# Allegro board 1140022-KU060_PCIE_FIBER_BOARD_V001_pcb166_20240120_1835_pcb.brd (continued)
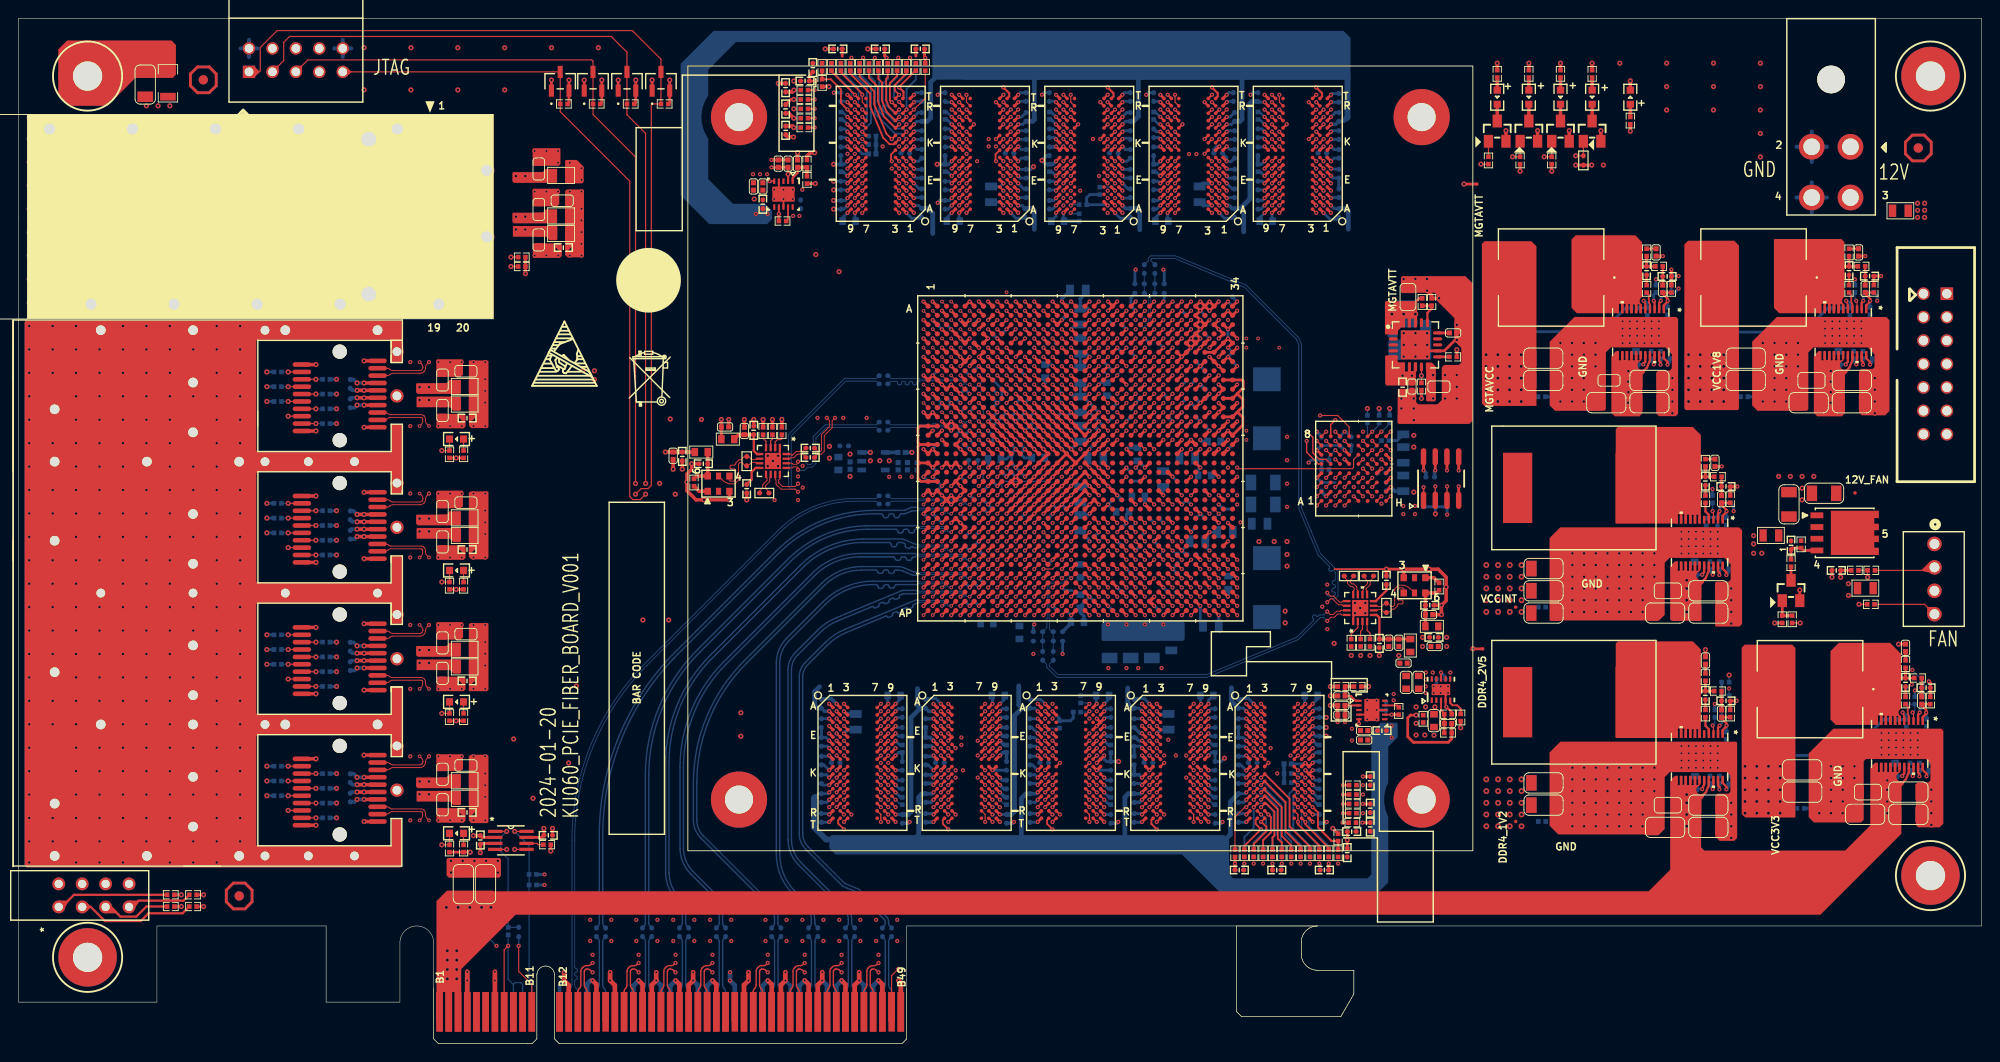
[diagram p0: board, top side]
## Routing (per net, layer and track width the routed paths; a pad name or vN(x,y) marks a point on that pad's centre or on a via; arc(x,y) is an arc through that point) (continued)
CHA_FPGA_DDR4_C1_D18: length 38.4
  TOP w0.201: U4.H3 v1(100.79,31.23) ; U1.AM20 v1(118.11,48.45)
  ART10 w0.137: v1(100.79,31.23) 101.11,31.55 102.06,31.55 102.69,32.18 102.85,32.18 103.01,32.34 103.01,32.86 103.17,33.02 103.4,33.02 103.56,32.86 103.56,32.34 103.72,32.18 104.22,32.18 104.47,32.43 104.97,32.43 105.19,32.65 105.19,33.03 105.39,33.23 105.8,33.23 105.99,33.42 105.99,41.42 106.27,41.71 106.93,41.71 107.31,42.09 107.31,42.82 107.42,42.93 107.67,42.93 107.83,42.77 107.83,42.3 107.97,42.16 108.25,42.16 108.38,42.3 108.38,42.77 108.54,42.93 108.77,42.93 108.93,42.77 108.93,42.3 109.07,42.16 109.34,42.16 109.48,42.3 109.48,42.77 109.64,42.93 110.42,42.93 110.58,42.77 110.58,42.27 110.74,42.11 110.96,42.11 111.12,42.27 111.12,42.77 111.29,42.93 111.51,42.93 111.67,42.77 111.67,42.27 111.83,42.11 112.06,42.11 112.22,42.27 112.22,42.77 112.38,42.93 114.27,42.93 117.6,46.25 117.6,48.31 117.74,48.45 v1(118.11,48.45)
CHA_FPGA_DDR4_C1_D19: length 38.3
  TOP w0.201: U4.H7 v1(104.79,31.23) ; U1.AK23 v1(121.11,50.45)
  ART10 w0.137: v1(104.79,31.23) 105.02,31.23 105.42,31.63 105.77,31.63 105.99,31.85 105.99,32.2 106.22,32.43 106.93,32.43 107.31,32.82 107.31,37.59 107.77,38.05 107.77,40.74 108.23,41.2 108.5,41.2 108.66,41.04 108.66,40.34 108.82,40.18 109.05,40.18 109.21,40.34 109.21,41.04 109.37,41.2 109.6,41.2 109.76,41.04 109.76,40.42 109.92,40.26 110.15,40.26 110.31,40.42 110.31,41.04 110.47,41.2 110.7,41.2 110.86,41.04 110.86,40.42 111.02,40.26 111.25,40.26 111.41,40.42 111.41,41.04 111.57,41.2 111.79,41.2 111.96,41.04 111.96,40.42 112.12,40.26 112.34,40.26 112.5,40.42 112.5,41.04 112.66,41.2 113.87,41.2 117.55,44.88 118.18,44.88 118.32,44.94 119.55,46.16 119.55,48.48 119.99,48.92 120.32,48.92 120.62,49.23 120.62,50.31 120.76,50.45 v1(121.11,50.45)
CHA_FPGA_DDR4_C1_D20: length 37.8
  TOP w0.201: U4.H2 v1(99.99,31.23) ; U1.AL22 v1(120.11,49.45)
  ART10 w0.137: v1(99.99,31.23) 99.99,31.2 100.46,30.73 101.88,30.73 102.78,31.63 104.99,31.63 105.19,31.84 105.19,32.22 105.41,32.43 105.76,32.43 105.99,32.66 105.99,33.01 106.21,33.23 106.75,33.23 106.88,33.37 106.88,37.26 106.5,37.64 106.5,37.91 106.66,38.07 107.03,38.07 107.19,38.23 107.19,38.46 107.03,38.62 106.66,38.62 106.5,38.78 106.5,39.01 106.66,39.17 107.03,39.17 107.19,39.33 107.19,39.56 107.03,39.72 106.66,39.72 106.5,39.88 106.5,40.13 108,41.63 113.59,41.63 117.91,45.95 118.31,45.95 118.62,46.25 118.62,48.77 118.82,48.97 119.41,48.97 119.89,49.45 v1(120.11,49.45)
CHA_FPGA_DDR4_C1_D21: length 37.5
  TOP w0.201: U1.AL23 v1(121.11,49.45) ; U4.H8 v1(105.59,31.23)
  ART10 w0.137: v1(121.11,49.45) 121.11,49.18 120.57,48.64 120.57,46.25 120.32,46 119.99,46 118.44,44.45 117.73,44.45 112.93,39.65 111.99,39.65 111.83,39.49 111.83,39.2 111.67,39.04 111.44,39.04 111.28,39.2 111.28,39.49 111.12,39.65 110.72,39.65 110.56,39.49 110.56,38.69 110.4,38.53 110.18,38.53 110.02,38.69 110.02,39.49 109.85,39.65 109.54,39.65 109.38,39.49 109.38,38.01 109.22,37.85 108.99,37.85 108.83,38.01 108.83,39.49 108.67,39.65 108.39,39.65 108.25,39.51 108.25,37.1 108.09,36.94 107.88,36.94 107.72,36.78 107.72,36.56 107.88,36.4 108.09,36.4 108.25,36.23 108.25,35.98 108.09,35.82 107.91,35.82 107.75,35.66 107.75,35.43 107.91,35.27 108.09,35.27 108.25,35.11 108.25,34.88 108.09,34.72 107.91,34.72 107.75,34.56 107.75,34.33 107.91,34.17 108.09,34.17 108.25,34.01 108.25,33.76 107.75,32.54 106.84,31.63 106.2,31.63 105.81,31.23 v1(105.59,31.23)
CHA_FPGA_DDR4_C1_D22: length 34.5
  TOP w0.201: U1.AL24 v1(122.11,49.45) ; U4.J3 v1(100.79,29.63)
  ART10 w0.137: v1(122.11,49.45) 121.59,48.93 121.59,46.18 120.1,44.68 118.43,43.99 117.88,43.99 112.74,38.85 109.87,37.66 108.71,36.5 108.71,33.64 108.36,32.8 108.04,32.02 106.81,30.78 103.57,30.78 103.36,30.69 103.27,30.48 103.34,30.31 103.25,30.1 103.04,30.01 102.83,30.1 102.83,30.11 102.65,30.18 101.34,30.18 v1(100.79,29.63)
CHA_FPGA_DDR4_C1_D23: length 34.2
  TOP w0.201: U4.J7 v1(104.79,29.63) ; U1.AL25 v1(123.11,50.45)
  ART10 w0.137: v1(123.11,50.45) 122.66,50 122.66,46.2 122.43,45.97 121.89,45.97 121.39,45.47 121.39,45.34 120.3,44.25 118.66,43.57 117.62,43.14 112.95,38.47 110.12,37.3 109.07,36.25 109.07,33.4 108.01,30.84 107.65,30.48 104.12,30.48 103.99,30.34 103.99,29.92 104.28,29.63 v1(104.79,29.63)
CHA_FPGA_DDR4_C1_D24: length 34.2
  TOP w0.201: U1.AM22 v1(120.11,48.45) ; U4.A3 v1(100.79,36.83)
  ART12 w0.137: v1(100.79,36.83) 100.79,37.24 100.69,37.34 98.58,37.34 98.42,37.49 98.42,37.79 98.56,37.92 98.68,37.92 98.84,38.08 98.84,38.42 99,38.58 99.23,38.58 99.39,38.42 99.39,38.08 99.55,37.92 99.78,37.92 99.94,38.08 99.94,38.42 100.1,38.58 100.33,38.58 100.49,38.42 100.49,38.08 100.65,37.92 100.86,37.92 104.65,41.71 106.4,41.71 107.85,43.16 112.78,43.16 115.57,45.95 115.62,46.07 115.62,47.68 115.9,47.96 117.27,47.96 117.6,48.29 117.6,48.59 117.93,48.92 119.97,48.92 120.11,48.78 v1(120.11,48.45)
CHA_FPGA_DDR4_C1_D25: length 30.9
  TOP w0.201: U1.AN23 v1(121.11,47.45) ; U4.B8 v1(105.59,36.03)
  ART12 w0.137: v1(105.59,36.03) 105.59,36.25 105.99,36.65 105.99,37.15 106.17,37.34 106.17,38.34 106.47,38.63 106.91,38.63 107.07,38.47 107.07,38.1 107.23,37.93 107.46,37.93 107.62,38.1 107.62,38.47 107.78,38.63 108.01,38.63 108.17,38.47 108.17,38.1 108.33,37.93 109.9,37.93 110.06,37.77 110.06,37.4 110.22,37.24 110.45,37.24 110.61,37.4 110.61,37.77 110.77,37.93 110.99,37.93 111.15,37.77 111.15,37.4 111.32,37.24 111.54,37.24 111.7,37.4 111.7,37.77 111.86,37.93 112.09,37.93 112.25,37.77 112.25,37.49 112.39,37.35 113.4,37.35 113.56,37.51 113.56,37.74 113.41,37.89 113.41,38.12 113.57,38.28 113.8,38.28 114.03,38.05 114.25,38.05 114.41,38.21 114.41,38.44 114.18,38.67 114.18,38.9 116.76,41.47 119.23,42.5 120.65,43.92 120.65,44.2 120.49,44.37 120.3,44.37 120.14,44.53 120.14,44.75 120.3,44.91 120.49,44.91 120.65,45.07 120.65,47.31 120.79,47.45 v1(121.11,47.45)
CHA_FPGA_DDR4_C1_D26: length 34
  TOP w0.201: U1.AN22 v1(120.11,47.45) ; U4.C3 v1(100.79,35.23)
  ART12 w0.137: v1(120.11,47.45) 119.58,46.93 119.58,45.21 119.71,45.09 119.71,43.81 118.62,42.72 116.36,41.79 112.98,38.4 109.09,38.4 108.48,39.01 106.1,39.01 105.77,38.68 105.77,37.62 105.19,37.04 105.19,35.85 104.97,35.63 104.31,35.63 104.18,35.49 104.18,34.66 104.04,34.52 103.79,34.52 103.65,34.66 103.65,35.55 103.49,35.71 103.26,35.71 103.1,35.55 103.1,34.65 102.94,34.49 102.72,34.49 102.56,34.65 102.56,35.32 102.42,35.46 102.14,35.46 102.01,35.32 102.01,34.65 101.85,34.49 101.8,34.49 101.34,34.68 v1(100.79,35.23)
CHA_FPGA_DDR4_C1_D27: length 30.9
  TOP w0.201: U4.C7 v1(104.79,35.23) ; U1.AP23 v1(121.11,46.45)
  ART12 w0.137: v1(121.11,46.45) 121.11,43.74 119.3,41.93 116.91,40.94 114.88,38.91 114.88,38.07 113.73,36.92 112.86,36.92 112.37,36.43 110.27,36.43 110.08,36.25 109.75,36.25 109.61,36.38 109.61,37.33 109.45,37.49 109.22,37.49 109.06,37.33 109.06,36.3 108.9,36.14 108.67,36.14 108.51,36.3 108.51,37.33 108.35,37.49 108.12,37.49 107.96,37.33 107.96,36.33 107.8,36.17 107.58,36.17 107.41,36.33 107.41,37.3 107.28,37.44 107,37.44 106.87,37.3 106.87,36.59 106.71,36.43 106.21,36.43 105.99,36.22 105.99,35.84 105.79,35.63 105.41,35.63 105.01,35.23 v1(104.79,35.23)
CHA_FPGA_DDR4_C1_D28: length 33.9
  TOP w0.201: U1.AM24 v1(122.11,48.45) ; U4.C2 v1(99.99,35.23)
  ART12 w0.137: v1(122.11,48.45) 122.11,48.12 121.97,47.98 119.39,47.98 119.26,47.84 119.26,47.53 119.35,47.44 119.35,47.21 119.19,47.05 118.96,47.05 118.85,47.16 118.66,47.16 118.44,46.94 117.81,46.94 117.6,46.74 117.6,46.23 117.19,45.82 117.19,45.59 117.96,44.81 117.96,44.58 117.8,44.42 117.58,44.42 116.8,45.2 116.09,45.2 114.25,43.35 113.63,41.87 113.39,41.71 109.78,41.71 109.45,42.04 108.1,42.04 106.81,40.74 104.93,40.74 101.75,37.57 101.75,36.07 101.32,35.63 100.39,35.63 v1(99.99,35.23)
CHA_FPGA_DDR4_C1_D29: length 33.9
  TOP w0.201: U4.C8 v1(105.59,35.23) ; U1.AN24 v1(122.11,47.45)
  ART12 w0.137: v1(105.59,35.23) 105.82,35.23 106.22,35.63 106.86,35.63 107.02,35.47 107.02,35.34 107.18,35.18 107.4,35.18 107.57,35.34 107.57,35.55 107.73,35.71 107.95,35.71 108.11,35.55 108.11,35.29 108.28,35.13 108.5,35.13 108.66,35.29 108.66,35.55 108.82,35.71 109.05,35.71 109.21,35.55 109.21,35.29 109.37,35.13 109.6,35.13 109.76,35.29 109.76,35.47 109.92,35.63 112.9,35.63 113.06,35.79 113.06,36.02 112.94,36.13 112.94,36.36 113.1,36.52 113.33,36.52 113.53,36.33 113.72,36.33 115.37,37.97 115.37,38.76 115.49,38.89 115.72,38.89 115.91,38.69 116.14,38.69 116.3,38.85 116.3,39.08 116.11,39.27 116.11,39.5 116.35,39.75 116.58,39.75 117.06,39.26 117.29,39.26 117.45,39.42 117.45,39.65 116.97,40.13 116.97,40.36 117.17,40.56 117.45,40.56 118.13,39.89 118.13,39.61 118.29,39.45 118.57,39.45 118.73,39.61 118.73,39.88 118.88,40.03 119.05,40.03 119.17,40.15 119.17,40.36 119.08,40.46 118.82,40.46 118.67,40.61 118.67,41.02 118.92,41.27 119.25,41.27 121.54,43.56 121.54,44.2 121.7,44.36 121.84,44.36 122,44.52 122,44.75 121.84,44.91 121.7,44.91 121.54,45.07 121.54,47.31 121.68,47.45 v1(122.11,47.45)
CHA_FPGA_DDR4_C1_D30: length 30.2
  TOP w0.201: U4.D3 v1(100.79,34.43) ; U1.AP25 v1(123.11,46.45)
  ART12 w0.137: v1(100.79,34.43) 101.76,34.03 111.5,34.03 113.54,34.87 115.92,37.25 118.86,38.47 120.29,39.9 120.62,40.39 120.84,40.94 122.04,42.13 123.11,44.71 v1(123.11,46.45)
CHA_FPGA_DDR4_C1_D31: length 30.3
  TOP w0.201: U4.D7 v1(104.79,34.43) ; U1.AP24 v1(122.11,46.45)
  ART12 w0.137: v1(104.79,34.43) 104.79,34.7 104.93,34.83 106.78,34.83 106.94,34.67 106.94,34.55 107.1,34.39 107.32,34.39 107.48,34.55 107.48,34.67 107.65,34.83 107.87,34.83 108.03,34.67 108.03,34.55 108.19,34.39 108.42,34.39 108.58,34.55 108.58,34.67 108.74,34.83 108.97,34.83 109.13,34.67 109.13,34.55 109.29,34.39 109.52,34.39 109.68,34.55 109.68,34.67 109.84,34.83 112.26,34.83 113.2,35.22 115.49,37.52 116.37,37.88 116.45,38.09 116.37,38.29 116.46,38.5 116.67,38.59 116.88,38.5 116.96,38.3 117.17,38.21 117.38,38.3 117.47,38.51 117.4,38.67 117.48,38.85 117.73,38.95 117.91,38.88 117.98,38.72 118.19,38.63 118.49,38.76 119.76,40.03 119.76,40.28 119.58,40.46 119.58,41 120.19,41.61 120.42,41.61 120.51,41.52 120.74,41.52 120.9,41.68 120.9,41.91 120.81,42 120.81,42.22 120.97,42.38 121.2,42.38 121.29,42.29 121.52,42.29 121.68,42.45 121.68,42.68 121.59,42.77 121.59,43 122.07,43.49 122.63,44.83 122.63,46.31 122.49,46.45 v1(122.11,46.45)
CHA_FPGA_DDR4_C1_D32: length 29.8
  TOP w0.201: U5.G2 v1(122.6,32.03) ; U1.AM27 v1(125.11,48.45)
  ART12 w0.137: v1(122.6,32.03) 122.19,32.43 121.54,32.43 121.4,32.57 121.4,37.22 121.61,37.44 121.84,37.44 122.06,37.22 122.29,37.22 122.45,37.38 122.45,37.61 122.23,37.83 122.23,38.06 122.39,38.22 122.62,38.22 122.84,38 123.06,38 123.22,38.16 123.22,38.39 123.01,38.6 123.01,38.83 123.27,39.09 123.57,39.09 124.07,38.59 124.29,38.59 124.45,38.75 124.45,38.98 124.26,39.17 124.26,39.4 125.25,40.39 125.25,41.44 125.41,41.6 125.9,41.6 126.06,41.76 126.06,41.99 125.9,42.15 125.18,42.15 125.02,42.31 125.02,42.54 125.18,42.7 125.9,42.7 126.06,42.86 126.06,43.09 125.9,43.25 125.2,43.25 125.04,43.41 125.04,43.64 125.2,43.8 125.9,43.8 126.06,43.96 126.06,44.19 125.9,44.35 125.41,44.35 125.25,44.51 125.25,44.73 125.41,44.9 125.9,44.9 126.06,45.06 126.06,45.28 125.9,45.44 125.41,45.44 125.25,45.6 125.25,45.82 125.6,46.18 125.6,48.31 125.47,48.45 v1(125.11,48.45)
CHA_FPGA_DDR4_C1_D33: length 31.4
  TOP w0.201: U5.F7 v1(127.4,32.83) ; U1.AK28 v1(126.11,50.45)
  ART12 w0.137: v1(126.11,50.45) 126.27,50.45 126.75,50.93 127.38,50.93 128.65,49.66 128.65,49.07 128.81,48.91 128.97,48.91 129.13,48.75 129.13,48.53 128.97,48.37 128.81,48.37 128.65,48.2 128.65,46.18 129.06,45.77 129.06,45.54 129.22,45.38 129.46,45.38 129.62,45.22 129.62,45 129.46,44.83 129.22,44.83 129.06,44.67 129.06,44.45 129.22,44.29 129.46,44.29 129.62,44.13 129.62,43.9 129.46,43.74 129.22,43.74 129.06,43.58 129.06,43.35 129.22,43.19 129.46,43.19 129.62,43.03 129.62,42.8 129.46,42.64 129.22,42.64 129.06,42.48 129.06,42.25 129.22,42.09 129.46,42.09 129.62,41.93 129.62,41.7 129.46,41.54 129.22,41.54 129.06,41.38 129.06,41.15 129.22,40.99 129.46,40.99 129.62,40.83 129.62,40.61 129.46,40.45 129.22,40.45 129.06,40.28 129.06,40.06 129.22,39.9 129.46,39.9 129.62,39.74 129.62,39.44 129.46,39.28 128.96,39.28 128.8,39.12 128.8,38.89 128.96,38.73 129.46,38.73 129.62,38.57 129.62,38.38 129.13,37.9 128.62,37.9 128.45,38.06 128.45,38.47 128.29,38.63 128.07,38.63 127.91,38.47 127.91,38.06 127.74,37.9 127.43,37.9 126.54,37.01 126.54,36.67 126.87,36.34 126.87,32.97 127.01,32.83 v1(127.4,32.83)
CHA_FPGA_DDR4_C1_D34: length 31.3
  TOP w0.201: U1.AK27 v1(125.11,50.45) ; U5.H3 v1(123.4,31.23)
  ART12 w0.137: v1(125.11,50.45) 125.11,50.43 124.59,49.91 124.59,49.16 124.72,49.02 126.47,49.02 126.59,48.9 126.59,44.89 126.75,44.73 127.02,44.73 127.18,44.57 127.18,44.34 127.02,44.18 126.75,44.18 126.59,44.02 126.59,43.8 126.75,43.63 127.02,43.63 127.18,43.47 127.18,43.25 127.02,43.09 126.75,43.09 126.59,42.93 126.59,42.7 126.75,42.54 127.02,42.54 127.18,42.38 127.18,42.15 127.02,41.99 126.75,41.99 126.59,41.83 126.59,41.6 126.75,41.44 127.02,41.44 127.18,41.28 127.18,40.13 126.88,39.83 126.65,39.83 126.17,40.31 125.94,40.31 125.78,40.15 125.78,39.93 126.26,39.44 126.26,39.22 126.1,39.06 125.87,39.06 125.39,39.54 125.16,39.54 125,39.38 125,39.15 125.49,38.67 125.49,38.44 125.15,38.1 123.93,38.1 122.99,37.17 122.99,31.56 123.33,31.23 v1(123.4,31.23)
CHA_FPGA_DDR4_C1_D35: length 32.3
  TOP w0.201: U1.AJ28 v1(126.11,51.45) ; U5.H7 v1(127.39,31.23)
  ART12 w0.137: v1(127.39,31.23) 127.39,31.5 127.53,31.63 129.27,31.63 129.62,31.98 129.77,32.76 129.65,32.95 129.63,32.95 129.51,33.14 129.55,33.36 129.74,33.49 129.75,33.49 129.94,33.61 130.04,34.11 129.91,34.29 129.68,34.34 129.55,34.53 129.6,34.75 129.78,34.88 130.02,34.83 130.21,34.96 130.29,35.38 130.17,35.57 129.72,35.66 129.6,35.85 129.64,36.07 129.83,36.2 130.27,36.11 130.46,36.24 130.82,38.05 130.7,38.24 130.57,38.27 130.44,38.46 130.48,38.68 130.67,38.8 130.81,38.78 131,38.91 131.07,39.26 131.07,39.41 130.84,39.64 130.84,39.93 131.27,40.37 131.27,40.93 131.09,41.1 131.09,41.47 131.27,41.65 131.27,42.02 131.09,42.2 131.09,42.55 131.25,42.71 131.41,42.71 131.57,42.87 131.57,43.1 131.41,43.26 131.25,43.26 131.09,43.42 131.09,45.82 130.58,46.33 130.58,49.77 130.44,49.91 129.92,49.91 129.67,50.16 129.67,50.55 129.29,50.93 128.91,50.93 128.55,51.28 128.55,51.64 128.24,51.94 127.33,51.94 127.18,51.79 126.78,51.79 126.63,51.94 126.25,51.94 126.11,51.81 v1(126.11,51.45)
CHA_FPGA_DDR4_C1_D36: length 31.9
  TOP w0.201: U1.AK26 v1(124.11,50.45) ; U5.H2 v1(122.6,31.23)
  ART12 w0.137: v1(124.11,50.45) 123.86,50.45 123.04,49.63 123.04,49.15 123.29,48.9 124.33,48.9 124.59,48.64 124.59,46.15 124.71,46.02 124.71,45.19 124.5,44.97 124.5,41.91 124.74,41.66 124.74,41.36 124.5,41.12 124.5,40.55 123.95,40.01 123.47,40.01 120.07,36.6 120.07,36.41 120.23,36.25 120.72,36.25 120.88,36.09 120.88,35.86 120.72,35.7 120.23,35.7 120.07,35.54 120.07,35.31 120.23,35.15 120.72,35.15 120.88,34.99 120.88,34.76 120.72,34.6 120.23,34.6 120.07,34.44 120.07,34.22 120.23,34.05 120.72,34.05 120.88,33.89 120.88,33.67 120.72,33.51 120.23,33.51 120.07,33.35 120.07,33.12 120.23,32.96 120.72,32.96 120.88,32.8 120.88,32.57 120.72,32.41 120.23,32.41 120.07,32.25 120.07,31.95 120.39,31.63 122.16,31.63 122.57,31.23 v1(122.6,31.23)
CHA_FPGA_DDR4_C1_D37: length 31.8
  TOP w0.201: U5.H8 v1(128.2,31.23) ; U1.AH28 v1(126.11,52.45)
  ART12 w0.137: v1(126.11,52.45) 126.37,52.45 126.87,52.96 128.27,52.96 128.65,52.58 128.65,52.22 128.98,51.89 129.34,51.89 129.59,51.64 129.59,51.26 129.92,50.93 130.3,50.93 131.14,50.09 131.14,49.15 131.57,48.72 131.57,45.95 131.73,45.79 132.12,45.79 132.28,45.63 132.28,45.4 132.12,45.24 131.73,45.24 131.57,45.08 131.57,44.86 131.73,44.69 132.05,44.69 132.21,44.53 132.21,44.31 132.05,44.15 131.73,44.15 131.57,43.98 131.57,43.76 131.73,43.6 131.92,43.6 132.05,43.46 131.75,40.35 130.07,31.93 129.78,31.23 129.34,30.78 128.35,30.78 128.2,30.94 v1(128.2,31.23)
CHA_FPGA_DDR4_C1_D38: length 31.1
  TOP w0.201: U1.AM26 v1(124.11,48.45) ; U5.J3 v1(124.2,30.43)
  ART12 w0.137: v1(124.2,30.43) 123.87,30.76 120.45,30.76 119.45,31.76 118.91,31.76 118.75,31.92 118.75,32.15 118.91,32.31 119.45,32.31 119.61,32.47 119.61,32.69 119.45,32.86 118.91,32.86 118.75,33.02 118.75,33.24 118.91,33.4 119.45,33.4 119.61,33.57 119.61,33.79 119.45,33.95 118.91,33.95 118.75,34.11 118.75,34.34 118.91,34.5 119.45,34.5 119.61,34.66 119.61,34.89 119.45,35.05 118.91,35.05 118.75,35.21 118.75,35.44 118.91,35.6 119.45,35.6 119.61,35.76 119.61,36.8 123.37,40.56 123.37,41.05 124.05,41.73 124.05,44.53 123.6,44.98 123.6,48.31 123.73,48.45 v1(124.11,48.45)
CHA_FPGA_DDR4_C1_D39: length 33.3
  TOP w0.201: U1.AH27 v1(125.11,52.45) ; U5.J7 v1(127.39,29.63)
  ART12 w0.137: v1(125.11,52.45) 125.59,52.93 126.36,52.93 126.7,53.26 128.55,53.26 128.85,52.96 129.21,52.96 129.54,52.63 129.54,52.3 129.9,51.94 130.3,51.94 130.56,51.69 130.56,51.31 131.57,50.29 131.57,49.3 131.9,48.97 132.46,48.97 132.72,48.72 132.72,44.71 132.32,40.71 130.67,32.41 130.03,30.87 129.57,30.4 128.66,30.4 127.82,30.05 v1(127.39,29.63)
CHA_FPGA_DDR4_C1_D40: length 20.5
  TOP w0.201: U5.A3 v1(123.4,36.83) ; U1.AL29 v1(127.11,49.45)
  ART05 w0.137: v1(127.11,49.45) 126.65,49.91 123.71,49.91 123.57,49.77 123.57,49.15 123.44,49.02 122.94,49.02 122.68,48.77 122.68,48.39 122.3,48.01 121.92,48.01 121.67,47.75 121.67,47.37 121.28,46.99 120.9,46.99 120.65,46.74 120.65,44.59 123.15,38.54 123.15,37.48 123.41,36.86 v1(123.4,36.83)
CHA_FPGA_DDR4_C1_D41: length 20.6
  TOP w0.201: U1.AM30 v1(128.11,48.45) ; U5.B8 v1(128.2,36.03)
  ART05 w0.137: v1(128.11,48.45) 128.11,48.14 127.97,48.01 126.75,48.01 126.62,47.88 126.62,45.24 127.58,44.27 127.58,43.69 127.72,43.56 128.44,43.56 128.57,43.42 128.57,43.14 128.44,43.01 127.72,43.01 127.58,42.87 127.58,39.41 127.45,39.27 126.91,39.27 126.77,39.14 126.77,38.86 126.91,38.73 127.45,38.73 127.58,38.59 127.58,38.3 126.87,37.59 126.87,35.76 127,35.63 127.96,35.63 128.2,35.87 v1(128.2,36.03)
CHA_FPGA_DDR4_C1_D42: length 19.9
  TOP w0.201: U1.AM29 v1(127.11,48.45) ; U5.C3 v1(123.4,35.23)
  ART05 w0.137: v1(127.11,48.45) 126.81,48.45 126.36,48.01 123.95,48.01 123.57,47.62 123.57,47.24 123.32,46.99 122.94,46.99 122.63,46.69 122.63,45.03 122.49,44.9 122.18,44.9 122.05,44.76 122.05,44.48 122.18,44.35 122.39,44.35 122.53,44.21 122.53,42.39 123.98,38.89 123.98,37.64 124.21,37.41 124.21,35.56 123.88,35.23 v1(123.4,35.23)
CHA_FPGA_DDR4_C1_D43: length 19.1
  TOP w0.201: U1.AP29 v1(126.11,46.45) ; U5.C7 v1(127.4,35.23)
  ART05 w0.137: v1(127.4,35.23) 126.5,35.23 126.34,35.39 126.34,37.76 126.48,37.9 126.58,37.9 126.72,38.04 126.72,38.31 126.58,38.45 126.48,38.45 126.34,38.59 126.34,39.57 126.48,39.71 127.02,39.71 127.15,39.84 127.15,40.12 127.02,40.26 126.48,40.26 126.34,40.39 126.34,40.67 126.48,40.8 127.02,40.8 127.15,40.94 127.15,42.31 127.02,42.45 126.48,42.45 126.34,42.59 126.34,42.86 126.48,43 127.09,43 127.23,43.14 127.23,43.41 127.09,43.55 126.25,43.55 126.11,43.69 126.11,43.95 126.25,44.08 126.61,44.08 126.75,44.22 126.75,44.49 126.61,44.63 126.25,44.63 126.11,44.77 v1(126.11,46.45)
CHA_FPGA_DDR4_C1_D44: length 21.5
  TOP w0.201: U5.C2 v1(122.6,35.23) ; U1.AL30 v1(128.11,49.45)
  ART05 w0.137: v1(128.11,49.45) 127.3,49.02 126.27,48.9 124.09,48.9 123.85,48.8 123.66,48.6 123.5,48.21 123.3,48.02 122.91,47.85 122.72,47.66 122.56,47.27 122.34,47.05 121.95,46.89 121.75,46.69 121.67,46.5 121.67,46 121.59,45.82 121.59,43.56 123.54,38.86 123.54,37.5 123.83,37.21 123.83,35.95 123.76,35.8 123.66,35.7 123.5,35.63 123.32,35.63 123.18,35.6 122.99,35.49 v1(122.6,35.23)
CHA_FPGA_DDR4_C1_D45: length 19.1
  TOP w0.201: U5.C8 v1(128.2,35.23) ; U1.AN28 v1(126.11,47.45)
  ART05 w0.137: v1(128.2,35.23) 128.2,35.1 127.92,34.83 126.83,34.83 126.7,34.69 126.7,34.33 126.56,34.19 126.29,34.19 126.15,34.33 126.15,34.69 125.86,34.99 125.86,41.32 125.99,41.46 126.58,41.46 126.72,41.6 126.72,41.87 126.58,42.01 125.99,42.01 125.86,42.15 125.86,42.7 125.53,43.03 125.53,45.54 125.6,45.62 125.6,46.74 126.11,47.24 v1(126.11,47.45)
CHA_FPGA_DDR4_C1_D46: length 19.6
  TOP w0.201: U1.AN27 v1(125.11,47.45) ; U5.D3 v1(123.4,34.43)
  ART05 w0.137: v1(123.4,34.43) 124.33,34.43 124.34,34.41 124.83,34.41 124.97,34.55 124.97,41.07 124.64,41.4 124.64,42.18 124.5,42.32 123.73,42.32 123.6,42.46 123.6,42.73 123.73,42.87 124.5,42.87 124.64,43 124.64,43.29 124.5,43.43 123.76,43.43 123.62,43.57 123.62,43.84 123.76,43.98 124.5,43.98 124.64,44.12 124.64,46.98 v1(125.11,47.45)
CHA_FPGA_DDR4_C1_D47: length 19.7
  TOP w0.201: U1.AP28 v1(125.11,46.45) ; U5.D7 v1(127.39,34.43)
  ART05 w0.137: v1(125.11,46.45) 125.11,42.71 125.43,42.39 125.43,33.9 125.56,33.76 126,33.76 126.14,33.63 126.14,33.35 126,33.22 125.56,33.22 125.43,33.08 125.43,32.75 125.56,32.61 126.84,32.61 126.97,32.75 126.97,34.01 v1(127.39,34.43)
CHA_FPGA_DDR4_C1_D48: length 28.7
  TOP w0.201: U7.G2 v1(133.9,32.03) ; U1.AK32 v1(130.11,50.45)
  ART03 w0.137: v1(130.11,50.45) 130.4,50.45 131.57,49.28 131.57,46.13 130.99,45.54 130.99,43.4 131.12,43.26 131.36,43.26 131.5,43.13 131.5,42.85 131.36,42.72 131.12,42.72 130.99,42.58 130.99,42.3 131.12,42.17 131.36,42.17 131.5,42.03 131.5,41.76 131.36,41.62 131.12,41.62 130.99,41.48 130.99,41.21 131.12,41.07 131.36,41.07 131.5,40.93 131.5,40.66 131.36,40.52 131.12,40.52 130.99,40.38 130.99,40.11 131.12,39.97 131.36,39.97 131.5,39.84 131.5,39.56 131.36,39.42 131.12,39.42 130.99,39.29 130.99,38.74 131.12,38.6 131.89,38.6 132.03,38.47 132.03,38.19 131.89,38.06 131.12,38.06 130.99,37.92 130.99,37.63 131.12,37.49 132.48,37.49 132.61,37.36 132.61,36.97 132.48,36.83 132.06,36.83 131.93,36.69 131.93,36.42 132.06,36.28 132.48,36.28 132.61,36.14 132.61,32.62 132.8,32.43 133.5,32.43 v1(133.9,32.03)
CHA_FPGA_DDR4_C1_D49: length 29.5
  TOP w0.201: U1.AH31 v1(129.11,52.45) ; U7.F7 v1(138.7,32.83)
  ART03 w0.137: v1(138.7,32.83) 137.79,33.73 137.79,38.41 137.21,39.82 137.29,40 137.42,40.05 137.49,40.23 137.38,40.48 137.21,40.56 137.08,40.5 136.9,40.58 136.79,40.83 136.87,41.01 137,41.06 137.07,41.24 136.96,41.5 136.79,41.57 136.66,41.52 136.48,41.59 136.27,42.09 136.27,50.8 133.76,53.31 130.33,53.31 129.46,52.45 v1(129.11,52.45)
CHA_FPGA_DDR4_C1_D50: length 28.9
  TOP w0.201: U1.AJ31 v1(129.11,51.45) ; U7.H3 v1(134.7,31.23)
  ART03 w0.137: v1(134.7,31.23) 134.48,31.23 134.08,31.63 132.84,31.63 132.16,32.31 132.16,35.7 132.02,35.84 130.77,35.84 130.63,35.98 130.63,36.28 130.77,36.41 131.36,36.41 131.5,36.55 131.5,36.82 131.36,36.96 130.69,36.96 130.69,36.96 130.12,36.96 129.95,37.13 129.95,37.99 130.08,38.12 130.42,38.12 130.56,38.26 130.56,38.53 130.42,38.67 130.19,38.67 130.05,38.81 130.05,39.08 130.19,39.22 130.42,39.22 130.56,39.36 130.56,49.66 130.3,49.91 129.79,49.91 129.54,50.16 129.54,51.05 129.14,51.45 v1(129.11,51.45)
CHA_FPGA_DDR4_C1_D51: length 27.7
  TOP w0.201: U1.AH34 v1(132.11,52.45) ; U7.H7 v1(138.7,31.23)
  ART03 w0.137: v1(132.11,52.45) 133.35,52.45 135.25,50.55 135.25,41.83 136.78,38.15 136.78,32.67 136.92,32.53 137.33,32.53 137.46,32.4 137.46,32.12 137.33,31.98 137.2,31.98 137.06,31.85 137.06,31.09 137.39,30.76 138.23,30.76 v1(138.7,31.23)
CHA_FPGA_DDR4_C1_D52: length 29.3
  TOP w0.201: U1.AK31 v1(129.11,50.45) ; U7.H2 v1(133.9,31.23)
  ART03 w0.137: v1(133.9,31.23) 133.4,30.73 132.84,30.73 131.66,31.92 131.66,35.12 131.39,35.38 130.76,35.38 129.54,36.6 129.54,39.76 129.68,39.9 129.99,39.9 130.12,40.04 130.12,40.31 129.99,40.45 129.68,40.45 129.54,40.59 129.54,40.86 129.68,41 129.99,41 130.12,41.14 130.12,41.41 129.99,41.55 129.68,41.55 129.54,41.68 129.54,41.96 129.68,42.1 129.99,42.1 130.12,42.23 130.12,42.51 129.99,42.64 129.68,42.64 129.54,42.78 129.54,43.06 129.68,43.19 129.99,43.19 130.12,43.33 130.12,43.6 129.99,43.74 129.68,43.74 129.54,43.88 129.54,44.15 129.68,44.29 129.99,44.29 130.12,44.43 130.12,44.7 129.99,44.84 129.68,44.84 129.54,44.98 129.54,45.25 129.68,45.39 129.99,45.39 130.12,45.53 130.12,45.8 129.99,45.94 129.68,45.94 129.54,46.07 129.54,49.66 129.11,50.09 v1(129.11,50.45)
CHA_FPGA_DDR4_C1_D53: length 28.7
  TOP w0.201: U7.H8 v1(139.5,31.23) ; U1.AH32 v1(130.11,52.45)
  ART03 w0.137: v1(139.5,31.23) 138.9,31.63 138.57,31.63 138.49,31.66 138.28,31.88 138.11,32.12 137.72,32.96 137.29,33.87 137.29,38.3 135.76,41.98 135.76,50.7 133.58,52.88 130.91,52.88 v1(130.11,52.45)
CHA_FPGA_DDR4_C1_D54: length 30.3
  TOP w0.201: U7.J3 v1(135.5,30.43) ; U1.AJ30 v1(128.11,51.45)
  ART03 w0.137: v1(128.11,51.45) 128.6,51.94 130.33,51.94 130.61,51.66 130.61,50.9 131.55,49.96 132.28,49.96 132.59,49.66 132.59,46.3 131.95,45.67 131.95,45.48 131.82,45.35 131.63,45.35 131.5,45.21 131.5,44.93 131.63,44.8 131.82,44.8 131.95,44.66 131.95,44.38 131.82,44.25 131.63,44.25 131.5,44.11 131.5,43.84 131.63,43.7 131.82,43.7 131.95,43.56 131.95,39.29 133.12,38.13 133.68,38.13 134.3,37.51 134.3,31.84 134.51,31.63 135.36,31.63 135.5,31.49 v1(135.5,30.43)
CHA_FPGA_DDR4_C1_D55: length 27.6
  TOP w0.201: U7.J7 v1(138.7,29.63) ; U1.AJ34 v1(132.11,51.45)
  ART03 w0.137: v1(138.7,29.63) 137.25,29.63 136.27,30.61 136.27,38.17 134.75,41.85 134.75,50.39 133.32,51.82 132.46,51.82 132.11,51.46 v1(132.11,51.45)